# KiCad board KlusterLab r2.0.kicad_pcb (continued)
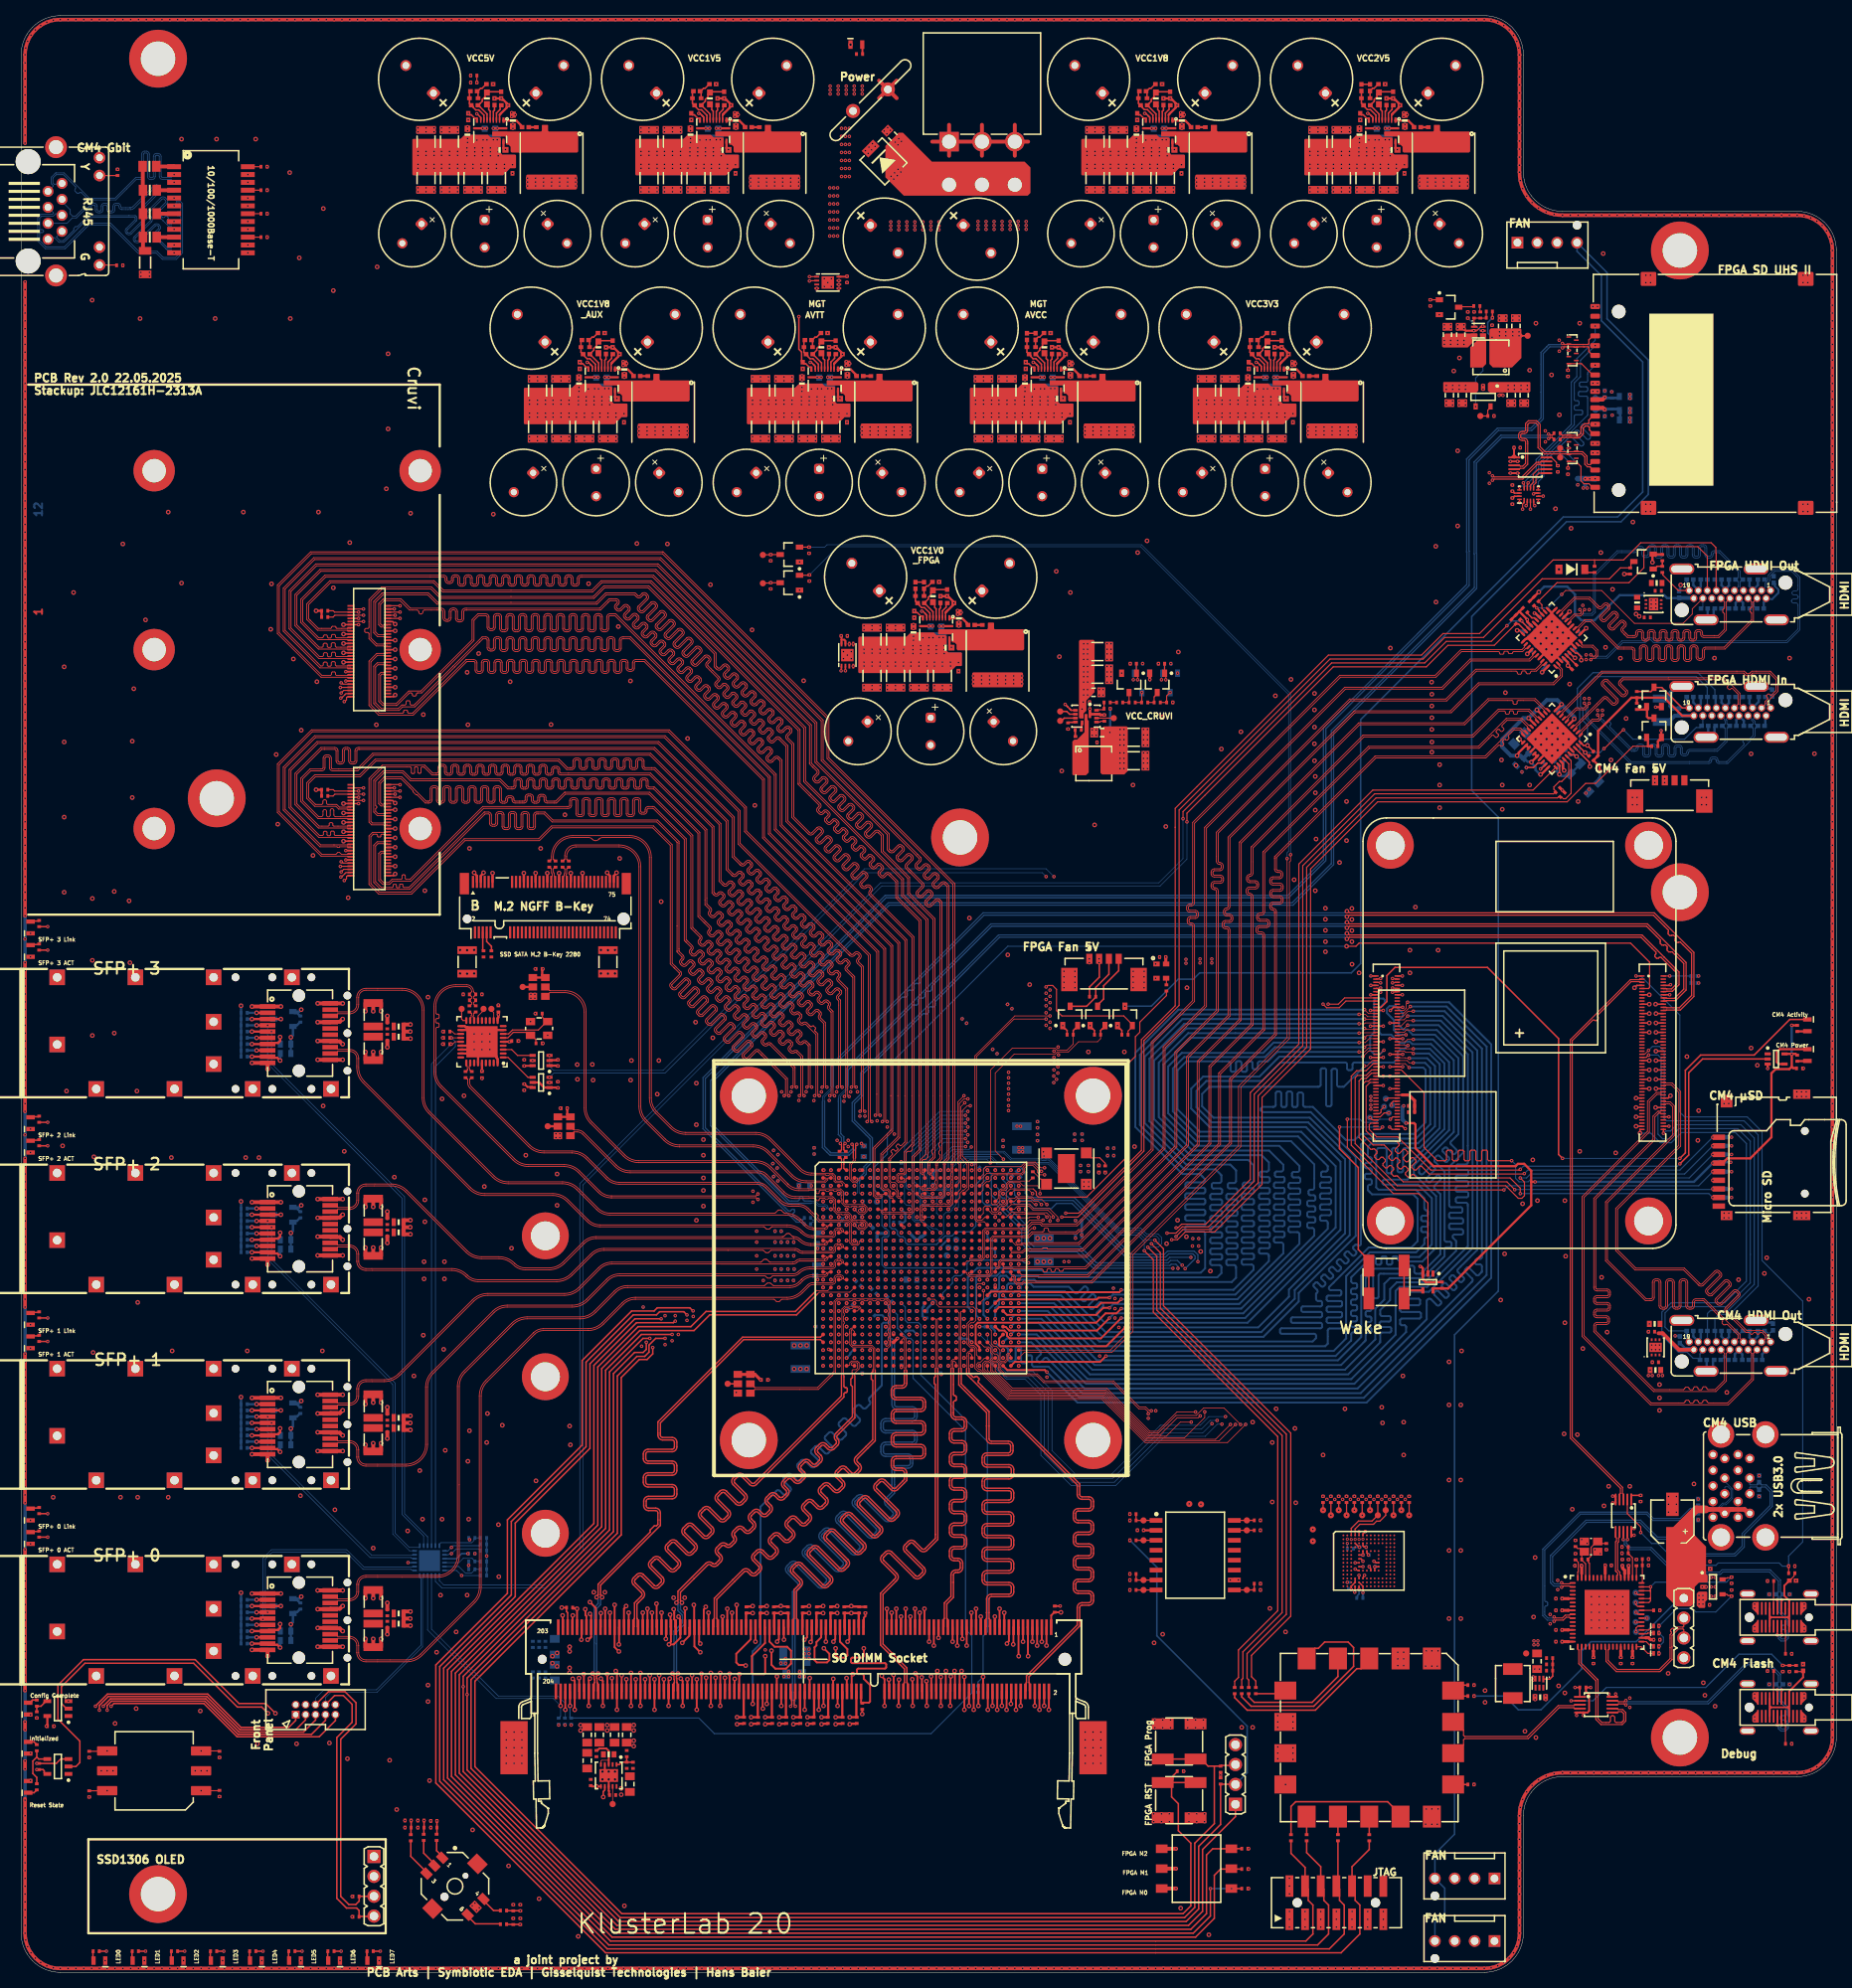
[diagram p0: board, top side]
## Routing (per net, layer and track width the routed paths; a pad name or vN(x,y) marks a point on that pad's centre or on a via; arc(x,y) is an arc through that point) (continued)
SFP+_2_MOD_ABS: length 2.6
  L1 Top w0.3: v2(30.1,94.4) J4.6
  L12 Bottom w0.3: R46.1 v2(30.1,94.4)
SFP+_2_RS0: length 5.8
  L1 Top w0.3: v2(33.1,94.5) 33.1,94 32.85,93.75 31.65,93.75 J4.7 v2(29.5,93.6)
  L12 Bottom w0.3: v2(33.1,94.5) 33.11,94.49 33.11,93.61 R48.1 ; R47.1 v2(29.5,93.6)
SFP+_2_RS1: length 5.3
  L1 Top w0.3: v2(29.5,92) J4.9 31.65,91.85 32.75,91.85 v2(33.1,91.5)
  L12 Bottom w0.3: v2(33.1,91.5) 33.11,91.51 33.11,92.39 R49.1 ; R51.1 v2(29.5,92)
SFP+_2_TX_DIS_LS: length 5.2
  L1 Top w0.3: v2(29.5,96.8) v2(33.2,96.8)
  L12 Bottom w0.3: R43.1 v2(29.5,96.8) ; Q3.3 v2(33.2,96.8)
SFP+_2_TX_EN: length 259.4
  L3 Inner2 (Sig) w0.1: v1(126.2,113.6) 126.8,114.2 126.8,117.27 117.77,126.3 110.97,126.3 58.57,178.7 20.23,178.7 12.95,171.42 12.95,142.78 17.1,138.63 17.1,131.33 18.5,129.93 18.5,117.3 29.6,106.2 29.6,103.1 34.7,98 v2(35.8,98)
  L10 Inner9 (Sig) w0.1: v1(126.2,113.6) 123.1,110.5 123.1,105.17 122.13,104.2 120.38,104.2 118.88,102.7 118.88,90.88 v1(118.5,90.5)
  L12 Bottom w0.3: R50.2 35.65,97.2 35.27,97.58 34.91,97.58 Q3.1 35.55,97.75 v2(35.8,98)
SFP+_2_TX_FAULT: length 2.6
  L1 Top w0.3: v2(30.1,97.6) J4.2
  L12 Bottom w0.3: R42.1 v2(30.1,97.6)
SFP+_3_ACT: length 243.5
  L1 Top w0.2: R282.1 v1(3.4,130.61)
  L3 Inner2 (Sig) w0.1: v1(3.4,130.61) 5.51,130.61 6.75,131.85 6.75,174.66 17.59,185.5 61.38,185.5 113.78,133.1 120.62,133.1 128.62,125.1 v1(131,125.1)
  L10 Inner9 (Sig) w0.1: v1(123.5,88.5) 123.1,88.9 122.4,88.9 121.9,89.4 121.9,94.6 122.28,94.98 122.28,96.68 122.9,97.3 122.9,98.73 123.27,99.1 123.8,99.1 123.91,99.21 123.91,99.86 124.1,100.05 124.1,103.1 124.7,103.7 124.7,107.8 127,110.1 127,121.4 130.68,125.08 130.98,125.08 v1(131,125.1)
SFP+_3_I2C_SCL: length 76.6
  L1 Top w0.3: v2(29.5,120.2) J5.5
  L12 Bottom w0.1: U22.15 51.95,55.65 49,58.6 49,99.1 32,116.1 v1(32,120.2)
  L12 Bottom w0.3: R56.1 v2(29.5,120.2)
SFP+_3_I2C_SDA: length 77.4
  L1 Top w0.3: v2(30.1,121) v1(31.5,121)
  L12 Bottom w0.1: v1(31.5,121) 31.5,116.1 48.7,98.9 48.7,58.5 51.45,55.75 U22.14
  L12 Bottom w0.3: R55.1 v2(30.1,121)
SFP+_3_Link: length 240.8
  L1 Top w0.2: R281.1 v1(3.4,133.61)
  L3 Inner2 (Sig) w0.1: v1(3.4,133.61) 4.86,133.61 6.55,135.3 6.55,174.75 17.5,185.7 61.47,185.7 113.87,133.3 120.7,133.3 128.5,125.5 v1(131.5,125.5)
  L10 Inner9 (Sig) w0.1: v1(121.5,88.5) 121.13,88.87 121.13,90.66 121.5,91.03 121.5,94.49 122.08,95.06 122.08,101.03 122.3,101.26 122.3,101.76 122.9,102.36 122.9,102.99 124.5,104.59 124.5,107.88 126.8,110.18 126.8,121.62 130.68,125.5 v1(131.5,125.5)
SFP+_3_LOS: length 244.5
  L1 Top w0.3: v2(30.1,117.8) J5.8
  L3 Inner2 (Sig) w0.1: v1(126.2,114.3) 126.29,114.3 126.5,114.51 126.51,114.51 126.6,114.6 126.6,117.18 117.68,126.1 110.88,126.1 58.48,178.5 20.32,178.5 13.15,171.33 13.15,142.87 17.3,138.72 17.3,131.41 18.7,130.01 18.7,119.48 20.38,117.8 v2(30.1,117.8)
  L10 Inner9 (Sig) w0.1: v1(126.2,114.3) 122.9,111 122.9,105.25 122.05,104.4 119.8,104.4 118.1,102.7 118.1,89.1 v1(117.5,88.5)
  L12 Bottom w0.3: R63.1 v2(30.1,117.8)
SFP+_3_MOD_ABS: length 2.6
  L1 Top w0.3: v2(30.1,119.4) J5.6
  L12 Bottom w0.3: R57.1 v2(30.1,119.4)
SFP+_3_RS0: length 5.8
  L1 Top w0.3: v2(29.5,118.6) J5.7 31.65,118.75 32.85,118.75 33.1,119 v2(33.1,119.5)
  L12 Bottom w0.3: R59.1 33.11,118.61 33.11,119.49 v2(33.1,119.5) ; R58.1 v2(29.5,118.6)
SFP+_3_RS1: length 5.3
  L1 Top w0.3: v2(33.1,116.5) 32.75,116.85 31.65,116.85 J5.9 v2(29.5,117)
  L12 Bottom w0.3: R62.1 v2(29.5,117) ; R60.1 33.11,117.39 33.11,116.51 v2(33.1,116.5)
SFP+_3_TX_DIS_LS: length 5.2
  L1 Top w0.3: v2(29.5,121.8) v2(33.2,121.8)
  L12 Bottom w0.3: R54.1 v2(29.5,121.8) ; Q4.3 v2(33.2,121.8)
SFP+_3_TX_EN: length 242.3
  L3 Inner2 (Sig) w0.1: v1(126.2,115) 126.4,115.2 126.4,117.1 117.6,125.9 110.8,125.9 58.4,178.3 20.4,178.3 13.35,171.25 13.35,142.95 17.5,138.8 17.5,131.5 18.9,130.1 18.9,125.5 20.4,124 33.7,124 34.7,123 v2(35.8,123)
  L10 Inner9 (Sig) w0.1: v1(126.2,115) 122.7,111.5 122.7,105.33 121.97,104.6 119.72,104.6 117.9,102.78 117.9,89.9 v1(117.5,89.5)
  L12 Bottom w0.3: R61.2 35.65,122.2 35.27,122.58 34.91,122.58 Q4.1 35.55,122.75 v2(35.8,123)
SFP+_3_TX_FAULT: length 2.6
  L1 Top w0.3: v2(30.1,122.6) J5.2
  L12 Bottom w0.3: R53.1 v2(30.1,122.6)
SI5324_OUT_N: length 1.3
  L1 Top w0.114: C192.1 57.47,115.23 57.39,115.23 57.32,115.29 57.32,115.48 57.27,115.53 57.27,115.73 57.4,115.86 U23.29
SI5324_OUT_P: length 1.3
  L1 Top w0.114: C190.1 56.93,115.23 57.01,115.23 57.08,115.29 57.08,115.4 57.03,115.45 57.03,115.73 56.9,115.86 U23.28
SI5324_REFCLK_N: length 60.9
  L1 Top w0.1: v1(106.5,93.5) 106.58,93.42 106.84,93.42 106.9,93.36 106.9,93.16 106.84,93.1 106.3,93.1 106.1,93.3 106.1,95.75 105.75,96.1 102.1,96.1 101.85,96.35 arc(101.81,96.44) 101.85,96.54 101.86,96.55 arc(101.9,96.64) 101.86,96.74 101.67,96.94 arc(101.57,96.98) 101.47,96.94 101.47,96.93 arc(101.37,96.89) 101.27,96.93 100.9,97.3 100.9,97.31
  L1 Top w0.114: 76.45,100.94 94.06,100.94 arc(94.74,100.81) 95.32,100.42 97.03,98.71 arc(97.68,98.27) 98.46,98.12 99.36,98.12 arc(100.03,97.99) 100.6,97.6 100.9,97.31 ; 76.45,100.94 arc(75.63,101.1) 74.93,101.57 72.38,104.12 arc(71.47,104.73) 70.4,104.94 66.82,104.94 arc(65.84,105.14) 65.01,105.69 57.58,113.12 arc(57.39,113.41) 57.32,113.74 57.32,114.06 arc(57.33,114.1) 57.35,114.14 57.36,114.14 arc(57.39,114.16) 57.43,114.17 arc(57.46,114.18) 57.5,114.2 C192.2 ; 76.45,100.94 arc(76.45,100.94) 76.45,100.94
SI5324_REFCLK_P: length 61.3
  L1 Top w0.1: v1(107.5,93.5) 107.42,93.42 107.16,93.42 107.1,93.36 107.1,93.08 106.92,92.9 106.22,92.9 105.9,93.22 105.9,95.67 105.67,95.9 101.98,95.9 100.74,97.14 100.73,97.14
  L1 Top w0.114: 100.73,97.14 100.43,97.43 arc(99.94,97.76) 99.36,97.88 98.36,97.88 arc(97.58,98.03) 96.93,98.47 95.15,100.25 arc(94.65,100.58) 94.06,100.7 76.45,100.7 ; C190.2 56.9,114.2 arc(56.94,114.18) 56.97,114.17 arc(57.01,114.16) 57.04,114.14 57.05,114.14 arc(57.07,114.1) 57.08,114.06 57.08,113.63 arc(57.14,113.31) 57.33,113.03 64.84,105.52 arc(65.75,104.91) 66.82,104.7 70.4,104.7 arc(71.38,104.5) 72.21,103.95 74.76,101.4 arc(75.53,100.88) 76.45,100.7 ; 76.45,100.7 arc(76.45,100.7) 76.45,100.7
SI5324_SCL: length 67.5
  L1 Top w0.114: R209.1 U23.22
  L12 Bottom w0.114: U22.17 52.95,115.75 55.5,118.3 55.5,118.9 v1(55,119.4)
SI5324_SDA: length 66.7
  L1 Top w0.114: R208.1 v1(54.97,118.6) 55.15,118.6 55.45,118.9 U23.23
  L12 Bottom w0.1: U22.16 52.45,116.08 v1(54.97,118.6)
SI5324_~{INIT: length 4.1
  L1 Top w0.15: U24.4 63.45,117.15 62.7,117.9 U23.3
SI5324_~{INIT}_LS: length 152.2
  L3 Inner2 (Sig) w0.1: v1(133.9,90.8) 133,89.9 127.29,89.9 126.93,90.26 126.93,92.39 126.42,92.9 122.3,92.9 122.1,92.7 122.1,90.37 122.35,90.13 122.78,90.13 123.1,89.8 123.1,89.3 123.3,89.1 123.8,89.1 124.1,88.8 124.1,86.1 124.7,85.5 v1(125.5,85.5)
  L10 Inner9 (Sig) w0.1: v1(133.9,90.8) 133.9,91.4 134.1,91.6 134.1,97.5 133.9,97.7 133.9,106.38 133.7,106.58 133.7,106.6 133.4,106.9 133.4,109.73 132.6,110.53 132.6,112.92 132.95,113.27 132.95,113.54 133.2,113.79 133.2,120.1 132.1,121.2 132.1,139.18 132,139.28 132,140
  L12 Bottom w0.1: v1(67.53,117.15) 67.53,115.76 68.03,115.25 82.05,115.25 107.8,141 131,141 132,140
  vias: v1(132,140)
SI5324~{_RST: length 4.8
  L1 Top w0.15: U23.1 62.23,116.9 64.78,114.35 U36.4
SI5324~{_RST}_LS: length 148.8
  L3 Inner2 (Sig) w0.1: v1(123.5,85.5) 123.9,85.9 123.9,88.72 123.72,88.9 123.22,88.9 122.9,89.22 122.9,89.72 122.69,89.93 122.27,89.93 121.9,90.29 121.9,92.8 122.2,93.1 126.5,93.1 127.13,92.47 127.13,90.34 127.37,90.1 132.6,90.1 v1(133.3,90.8)
  L10 Inner9 (Sig) w0.1: v1(133.3,90.8) 133.3,91.2 133.9,91.8 133.9,97.25 133.7,97.45 133.7,106.3 133.2,106.8 133.2,109.64 132.4,110.44 132.4,113 132.75,113.35 132.75,113.63 133,113.88 133,120 131.9,121.1 131.9,139.1 131,140
  L12 Bottom w0.1: v1(67.53,114.35) 68.08,114.9 82.31,114.9 107.9,140.5 130.5,140.5 131,140
  vias: v1(131,140)
SMBUSz: length 0.7
  L1 Top w0.15: U7.39 v1(207.8,45.25)
Switch_0: length 341.9
  L1 Top w0.1: U1.E25 126.93,98.5 127.33,98.9 129.06,98.9 129.45,98.52 129.98,98.52 v1(130.4,98.1) ; 25.32,23.21 R176.2
  L1 Top w0.15: v1(23,23.21) 25.32,23.21
  L3 Inner2 (Sig) w0.1: v1(23,23.21) 24.4,24.61 24.4,28.2 23.45,29.15 16.08,29.15 13.9,31.33 13.9,44.18 13.1,44.98 13.1,54.6 13.9,55.4 13.9,69.18 13.1,69.98 13.1,79.6 13.9,80.4 13.9,94.18 13.1,94.98 13.1,104.6 13.9,105.4 13.9,119.18 13.1,119.98 13.1,138.67 10.15,141.62 10.15,172.58 19.07,181.5 59.73,181.5 112.13,129.1 118.95,129.1 131.15,116.9 v1(132,116.9)
  L10 Inner9 (Sig) w0.1: v1(132,116.9) 131.98,116.88 131.68,116.88 130.6,115.8 130.6,109.7 131.4,108.9 131.4,105.8 131.9,105.3 131.9,99.6 v1(130.4,98.1)
Switch_1: length 328.7
  L1 Top w0.1: v1(129.7,98.1) 129.5,98.1 129.1,98.5 U1.E26
  L1 Top w0.15: v1(11,28.29) 10.96,28.24 R177.2
  L3 Inner2 (Sig) w0.1: v1(11,28.29) 11,28.63 13.7,31.33 13.7,44.09 12.9,44.89 12.9,54.7 13.7,55.5 13.7,69.09 12.9,69.89 12.9,79.7 13.7,80.5 13.7,94.09 12.9,94.89 12.9,104.7 13.7,105.5 13.7,119.09 12.9,119.89 12.9,138.59 9.95,141.54 9.95,172.66 18.99,181.7 59.81,181.7 112.21,129.3 119.03,129.3 131.03,117.3 132.16,117.3 132.21,117.25 132.55,117.25 v1(132.58,117.22)
  L10 Inner9 (Sig) w0.1: v1(132.58,117.22) 132.53,117.28 131.79,117.28 130.4,115.88 130.4,109.61 131.2,108.81 131.2,105.7 131.7,105.2 131.7,100.1 v1(129.7,98.1)
Switch_2: length 342.8
  L1 Top w0.1: 25.31,28.29 R181.2 ; U1.D25 126.9,99.9 128.86,99.9 v1(129.27,99.49)
  L1 Top w0.15: v1(23,28.29) 25.31,28.29
  L3 Inner2 (Sig) w0.1: v1(23,28.29) 21.81,27.1 11.3,27.1 10.45,27.95 10.45,28.56 13.5,31.61 13.5,44.01 12.7,44.81 12.7,54.8 13.5,55.6 13.5,69.01 12.7,69.81 12.7,79.8 13.5,80.6 13.5,94.01 12.7,94.81 12.7,104.8 13.5,105.6 13.5,119.01 12.7,119.81 12.7,138.51 9.75,141.46 9.75,172.74 18.91,181.9 59.89,181.9 112.29,129.5 119.11,129.5 130.91,117.7 v1(132,117.7)
  L10 Inner9 (Sig) w0.1: v1(129.27,99.49) 129.66,99.1 130.4,99.1 131.5,100.2 131.5,105.1 131,105.6 131,108.73 130.2,109.53 130.2,115.97 131.93,117.7 v1(132,117.7)
Switch_3: length 343.8
  L1 Top w0.1: U1.C22 124,100 124,98.25 124.15,98.1 124.69,98.1 125.1,98.51 125.1,99.67 125.33,99.9 125.8,99.9 126.1,100.2 126.1,100.67 126.33,100.9 127.67,100.9 128.07,100.5 129.9,100.5 130.21,100.19 130.21,99.51 v1(130.23,99.49)
  L1 Top w0.15: R182.2 10.99,23.19 v1(11,23.21)
  L3 Inner2 (Sig) w0.1: v1(11,23.21) 9.63,24.58 9.63,28.19 13.3,31.86 13.3,43.93 12.5,44.73 12.5,54.9 13.3,55.7 13.3,68.93 12.5,69.73 12.5,79.9 13.3,80.7 13.3,93.93 12.5,94.73 12.5,104.9 13.3,105.7 13.3,118.93 12.5,119.73 12.5,138.43 9.55,141.38 9.55,172.82 18.83,182.1 59.97,182.1 112.37,129.7 119.2,129.7 130.7,118.2 132.5,118.2 v1(132.53,118.23)
  L10 Inner9 (Sig) w0.1: v1(132.53,118.23) 132.53,118.23 131.99,118.23 130,116.23 130,109.45 130.8,108.65 130.8,105.5 131.3,105 131.3,100.56 v1(130.23,99.49)
SYS_FAN_PWM: length 46.8
  L1 Top w0.15: v1(131,125.9) 131.05,125.9 131.24,126.09 131.83,126.09 132.33,125.59 132.33,122.89 133.02,122.2 140.92,122.2 141.76,121.37 141.78,121.37 142.03,121.12 Q12.2 142.03,120.82 141.48,120.26 141.48,119.8 R291.1
  L10 Inner9 (Sig) w0.1: v1(131,125.9) 130.93,125.83 130.53,125.83 126.6,121.9 126.6,111.37 126.34,111.11 125.91,111.11 123.9,109.1 123.9,104.84 122.46,103.4 122.23,103.4 121.66,102.83 121.34,102.83 120.96,102.44 120.96,101.36 120.57,100.97 120.57,100.57 v1(120.5,100.5)
TEMP_I2C_SCL: length 136.6
  L1 Top w0.15: 105.38,166.86 U27.2 v1(105.35,166.3) ; 97.01,181.14 v1(95.8,181.14) 95.78,181.12 94.82,181.12 TP20.1 ; U26.2 101.66,216.12 100.78,216.12 v1(100.75,216.1)
  L10 Inner9 (Sig) w0.15: v1(105.35,166.3) 106.05,165.6 120.36,165.6 142.96,188.21 142.96,204.62 133.65,213.93 101.72,213.93 100.75,214.89 v1(100.75,216.1) ; v1(105.35,166.3) 105.35,166.28 ; v1(105.35,166.3) 105.35,166.7 104.05,168 104.05,173.85 102.25,175.65 97.7,175.65 96.85,176.5 96.85,180.07 95.79,181.13
TEMP_I2C_SCL_LS: length 176.6
  L1 Top w0.1: U1.AE26 128.22,79.22 139.42,79.22 142.1,81.9 142.1,91.7 155.89,105.49 155.89,113.09 162.1,119.3 162.1,141.87 162.25,142.02 v1(162.25,142.8) ; 100.7,182.1 v1(100.7,182.1)
  L1 Top w0.15: Q6.2 100.7,182.1
  L12 Bottom w0.1: v1(162.25,142.8) 162.25,163.35 143.2,182.4 103,182.4 102.7,182.1 v1(100.7,182.1)
TEMP_I2C_SDA: length 134.9
  L1 Top w0.15: v1(104.8,166.3) 104.83,166.32 104.83,166.86 U27.1 ; v1(100.75,216.65) U26.1 ; Q5.3 97.01,177.54 v1(95.8,177.54) 95.77,177.51 94.84,177.51 TP19.1
  L10 Inner9 (Sig) w0.15: v1(100.75,216.65) 100.77,216.65 101.19,216.23 101.19,215.01 101.9,214.3 133.92,214.3 143.35,204.87 143.35,188.1 120.5,165.25 105.83,165.25 104.8,166.28 v1(104.8,166.3) 104.8,166.75 103.69,167.86 103.69,173.72 102.08,175.32 97.53,175.32 96.45,176.4 96.45,176.89 R87.1
TEMP_I2C_SDA_LS: length 176.7
  L1 Top w0.1: v1(161.8,142.3) 161.8,119.42 155.59,113.22 155.59,105.62 141.8,91.82 141.8,82.1 139.2,79.5 U1.AD26 ; 100.7,178.5 v1(100.75,178.55)
  L1 Top w0.15: Q5.2 100.7,178.5
  L12 Bottom w0.1: v1(161.8,142.3) 161.8,143.05 162,143.25 162,163.25 143.1,182.15 104.35,182.15 v1(100.75,178.55)
UART_USB_RxD: length 101.9
  L1 Top w0.166: v1(144,92.65) 145.15,91.5 145.15,84.61 161.17,68.59 161.17,45.97 156.15,40.95 156.15,37.55 156,37.4 R115.2
  L12 Bottom w0.1: v1(118.5,102.5) 118.5,103.88 119.52,104.9 125.65,104.9 126.54,104.01 130.49,104.01 130.57,103.93 130.88,103.93 130.96,104.01 131.39,104.01 140.3,95.1 143.08,95.1 143.84,94.34 145.31,94.34 145.76,93.89 145.76,93.08 145.33,92.65 v1(144,92.65)
UART_USB_TxD: length 108.4
  L1 Top w0.166: R116.2 157.8,37.23 157.25,37.78 157.25,40.49 162.27,45.51 162.27,68.91 146,85.17 146,92.45 v1(144.9,93.55)
  L12 Bottom w0.1: v1(144.9,93.55) 143.78,93.55 142.83,94.5 140.33,94.5 131.35,103.48 124.82,103.48 124.07,104.23 120.65,104.23 119.9,103.48 119.9,101.3 119.5,100.9 119.5,98.1 119,97.6 119,97.4 118.7,97.1 118.2,97.1 117.9,96.8 117.9,94.35 117.05,93.5 v1(116.5,93.5)
UART_USB_~{CTS: length 100.6
  L1 Top w0.166: R113.2 155.1,37.2 155.58,37.68 155.58,41.18 160.6,46.2 160.6,68.45 144.7,84.35 144.7,91.05 v1(143.55,92.2)
  L12 Bottom w0.1: v1(119.5,97.5) 119.8,97.8 119.8,100.9 120.1,101.2 120.1,103.4 120.73,104.03 123.97,104.03 124.72,103.28 131.27,103.28 140.35,94.2 142.73,94.2 143.55,93.38 v1(143.55,92.2)
UART_USB_~{RTS: length 101.6
  L1 Top w0.166: v1(144.45,93.1) 145.6,91.95 145.6,84.86 161.7,68.76 161.7,45.74 156.68,40.73 156.68,37.57 156.9,37.35 R114.2
  L12 Bottom w0.1: v1(118.5,101.5) 118.9,101.9 118.9,103.9 119.7,104.7 125.57,104.7 126.47,103.79 130.42,103.79 130.49,103.73 130.96,103.73 131.03,103.79 131.32,103.79 140.32,94.8 142.98,94.8 143.73,94.05 145.11,94.05 145.45,93.71 145.45,93.3 145.25,93.1 v1(144.45,93.1)
USB_CM4Flash_N: length 36
  L1 Top w0.146: J14.A6 224.46,46.51 224.46,47.59 v1(224.45,47.6) ; v1(225,43.12) 224.99,43.13 224.99,44.21 J14.B6 ; v1(204.76,55.3) 204.77,55.31 204.77,56.27
  L12 Bottom w0.146: v1(204.76,55.3) 204.76,55.22 204.9,55.08 204.9,54.69 205.58,54.01 208.24,54.01 210.42,51.83 213.32,51.83 214.3,50.85 217.19,50.85 217.5,51.16 223.44,51.16 224.59,50.01 224.59,48.59 224.5,48.5 224.48,48.5 D81.1 224.48,48.1 224.53,48.1 224.59,48.04 224.59,47.82 224.45,47.68 v1(224.45,47.6) 224.45,47.52 224.59,47.38 224.59,46.07 225.6,45.06 225.6,44.49 arc(225.56,44.38) 225.45,44.34 225.19,44.34 arc(225.09,44.3) 225.05,44.2 225.05,43.93 arc(225.09,43.83) 225.19,43.79 225.45,43.79 arc(225.56,43.75) 225.6,43.65 225.6,42.81 225.39,42.6 225.01,42.6 224.85,42.76 224.85,42.88 225,43.03 v1(225,43.12)
USB_CM4Flash_P: length 36
  L1 Top w0.146: v1(224.45,43.12) 224.46,43.13 224.46,44.21 J14.B7 ; v1(225,47.6) 224.99,47.59 224.99,46.51 J14.A7 ; 205.3,56.27 205.3,55.31 v1(205.31,55.3)
  L12 Bottom w0.146: v1(224.45,43.12) 224.45,43.03 224.6,42.88 224.6,42.65 224.92,42.34 225.51,42.34 225.87,42.7 225.87,45.18 224.86,46.19 224.86,47.38 225,47.52 v1(225,47.6) 225,47.68 224.86,47.82 224.86,48.04 224.92,48.1 224.97,48.1 D76.1 224.97,48.5 224.95,48.5 224.86,48.59 224.86,50.12 223.55,51.43 217.38,51.43 217.07,51.12 214.41,51.12 213.44,52.1 210.54,52.1 208.35,54.28 205.7,54.28 205.17,54.81 205.17,55.08 205.31,55.22 v1(205.31,55.3)
USB_HUB_RST: length 4.2
  L1 Top w0.15: C52.1 205.4,53.5 205.52,53.37 205.54,53.37 205.95,52.96 U7.50
USB_MUX_SEL: length 33
  L1 Top w0.166: v1(198.1,34.7) U9.2 ; v1(225.16,39.21) R83.2
  L12 Bottom w0.166: v1(225.16,39.21) 223.72,40.65 219.55,40.65 215.3,36.4 202.6,36.4 200.9,34.7 v1(198.1,34.7)
USB_OVRCURR: length 19.6
  L1 Top w0.146: 208.13,48.75 208.25,48.75 ; 208.13,48.75 U7.46 ; 208.13,48.75 208.25,48.87 ; 208.13,48.75 208.25,48.63 ; 208.25,48.75 208.25,48.87 ; 208.25,48.75 208.25,47.75 ; 208.25,47.75 208.25,47.87 208.13,47.75 ; 208.25,47.75 208.25,47.45 208.05,47.25 U7.43 ; 208.25,47.75 U7.44 ; 208.25,47.75 208.13,47.75 ; 208.13,47.75 208.25,47.63 ; v1(218.6,50.49) 218.52,50.41 218.07,50.41 218,50.35 217.6,50.35 U8.5 ; 208.25,48.87 v1(208.25,49.25) U7.47
  L12 Bottom w0.15: v1(218.6,50.49) 217.96,49.85 208.85,49.85 v1(208.25,49.25)
USB_PWR_EN: length 16.4
  L1 Top w0.146: U8.4 218,48.3 218.15,48.15 218.51,48.15 v1(218.6,48.06)
  L12 Bottom w0.15: v1(209.35,40.75) v1(209.35,41.65) 209.9,42.2 209.9,42.8 v1(209.35,43.35) v1(209.35,44.25) 211.57,46.47 213.63,46.47 214.05,46.05 216.6,46.05 v1(218.6,48.06)
USER_LED_0: length 395.7
  L1 Top w0.1: U1.G21 122.5,96.53 122.53,96.53 122.98,96.97 122.98,97.67 123.2,97.9 123.78,97.9 124.03,97.65 124.03,97.31 124.24,97.1 124.69,97.1 125.02,97.43 125.02,97.64 125.28,97.9 125.75,97.9 126.1,98.25 126.1,98.67 126.34,98.91 127,98.91 127.19,99.1 129.18,99.1 129.53,98.75 130.45,98.75 v1(131.1,98.1)
  L1 Top w0.2: v1(10.9,2.7) R189.2 9.9,2.6
  L3 Inner2 (Sig) w0.1: v1(132.5,116.5) 131.27,116.5 118.87,128.9 112.04,128.9 59.64,181.3 19.16,181.3 10.35,172.49 10.35,141.71 14.5,137.56 14.5,130.1 15.9,128.7 15.9,45.02 39.7,21.22 39.7,4.51 39.29,4.1 12.3,4.1 v1(10.9,2.7)
  L10 Inner9 (Sig) w0.1: v1(132.5,116.5) 131.6,116.5 130.8,115.7 130.8,109.78 131.6,108.98 131.6,105.9 132.1,105.4 132.1,99.1 v1(131.1,98.1)
USER_LED_1: length 383.8
  L1 Top w0.1: v1(129.5,95.1) 129.43,95.03 129.13,95.03 128.6,94.5 U1.J26
  L1 Top w0.2: R190.2 v1(15.9,2.7)
  L3 Inner2 (Sig) w0.1: v1(132,116.1) 131.38,116.1 118.78,128.7 111.96,128.7 59.56,181.1 19.24,181.1 10.55,172.41 10.55,141.79 14.7,137.64 14.7,130.18 16.1,128.78 16.1,45.1 39.9,21.3 39.9,4.43 39.37,3.9 17.1,3.9 v1(15.9,2.7)
  L10 Inner9 (Sig) w0.1: 131.98,116.08 v1(132,116.1) 131.5,116.1 131,115.6 131,109.86 131.8,109.06 131.8,106 132.3,105.5 132.3,98.77 131.07,97.53 130.43,97.53 129.5,96.6 v1(129.5,95.1)
USER_LED_2: length 377.8
  L1 Top w0.1: v1(130,96.48) 128.87,96.48 128.79,96.4 127.76,96.4 127.74,96.42 127.58,96.42
  L1 Top w0.2: R191.2 v1(20.9,2.7)
  L3 Inner2 (Sig) w0.1: v1(132.5,115.7) 131.5,115.7 118.7,128.5 111.88,128.5 59.48,180.9 19.32,180.9 10.75,172.33 10.75,141.87 14.9,137.72 14.9,130.28 16.3,128.88 16.3,45.19 40.1,21.39 40.1,4.35 39.45,3.7 21.9,3.7 v1(20.9,2.7)
  L10 Inner9 (Sig) w0.1: v1(132.5,115.7) 131.5,115.7 131.2,115.4 131.2,109.95 132,109.15 132,106.2 132.5,105.7 132.5,98.68 131.12,97.3 130.9,97.3 130.08,96.48 v1(130,96.48)
USER_LED_3: length 372.3
  L1 Top w0.1: U1.H26 128.3,95.5 128.9,96.1 v1(130.6,96.1)
  L1 Top w0.2: R192.2 v1(25.9,2.7)
  L3 Inner2 (Sig) w0.1: v1(25.9,2.7) 26.7,3.5 39.53,3.5 40.3,4.27 40.3,21.47 16.5,45.27 16.5,129 15.1,130.4 15.1,137.81 10.95,141.96 10.95,172.24 19.41,180.7 59.39,180.7 111.79,128.3 118.6,128.3 131.6,115.3 v1(132,115.3)
  L10 Inner9 (Sig) w0.1: v1(130.6,96.1) 130.6,96.7 131,97.1 131.2,97.1 132.7,98.6 132.7,105.8 132.2,106.3 132.2,109.23 131.4,110.03 131.4,115.1 131.6,115.3 v1(132,115.3)
USER_LED_4: length 368.6
  L1 Top w0.1: v1(131.1,96.5) 130.75,96.85 128.26,96.85 128.21,96.9 126.9,96.9 U1.G25
  L1 Top w0.2: R193.2 v1(30.91,2.7)
  L3 Inner2 (Sig) w0.1: v1(30.91,2.7) 31.51,3.3 39.62,3.3 40.5,4.18 40.5,21.55 16.7,45.35 16.7,129.1 15.3,130.5 15.3,137.89 11.15,142.04 11.15,172.16 19.49,180.5 59.31,180.5 111.71,128.1 118.52,128.1 131.72,114.9 132.13,114.9 132.14,114.9 v1(132.5,114.9)
  L10 Inner9 (Sig) w0.1: v1(131.1,96.5) 131.1,96.59 131.29,96.78 131.29,96.87 132.9,98.48 132.9,105.9 132.4,106.4 132.4,109.31 131.6,110.11 131.6,114.7 131.8,114.9 v1(132.5,114.9)
USER_LED_5: length 366.2
  L1 Top w0.1: U1.F24 125.93,97.5 126.53,98.1 128.9,98.1 129.4,97.6 131.4,97.6 132.5,96.5 v1(132.5,96.1)
  L1 Top w0.2: R194.2 v1(35.9,2.7)
  L3 Inner2 (Sig) w0.1: v1(35.9,2.7) 36.3,3.1 39.7,3.1 40.7,4.1 40.7,21.63 16.9,45.43 16.9,129.2 15.5,130.6 15.5,137.97 11.35,142.12 11.35,172.08 19.57,180.3 59.23,180.3 111.63,127.9 118.44,127.9 131.64,114.7 131.71,114.7 131.89,114.53 v1(131.98,114.53)
  L10 Inner9 (Sig) w0.1: v1(132.5,96.1) 132.5,96.7 133.5,97.7 133.5,106.2 133,106.7 133,109.56 132.2,110.36 132.2,113.09 132.55,113.44 132.55,113.71 132.7,113.86 132.7,114.3 132.48,114.53 v1(131.98,114.53)
USER_LED_6: length 359.1
  L1 Top w0.1: U1.F25 126.93,97.5 127.33,97.9 128.8,97.9 129.3,97.4 131.2,97.4 131.9,96.7 v1(131.9,96.5)
  L1 Top w0.2: R195.2 v1(40.9,2.7)
  L3 Inner2 (Sig) w0.1: v1(132.32,114.1) 131.7,114.1 131.5,114.3 131.5,114.55 118.35,127.7 111.55,127.7 59.15,180.1 19.65,180.1 11.55,172 11.55,142.2 15.7,138.05 15.7,130.7 17.1,129.3 17.1,45.52 40.9,21.72 v1(40.9,2.7)
  L10 Inner9 (Sig) w0.1: v1(131.9,96.5) 133.3,97.9 133.3,106.1 132.8,106.6 132.8,109.48 132,110.28 132,113.17 132.35,113.52 132.35,114.07 v1(132.33,114.1)
USER_LED_7: length 363.5
  L1 Top w0.1: v1(131.5,96) 131.5,96.63 131.08,97.05 128.34,97.05 128.29,97.1 126.53,97.1 125.93,96.5 U1.G24
  L1 Top w0.2: R196.2 v1(45.91,2.7)
  L3 Inner2 (Sig) w0.1: v1(131.98,113.67) 131.95,113.7 131.6,113.7 131.2,114.1 131.2,114.57 118.27,127.5 111.46,127.5 59.06,179.9 19.74,179.9 11.75,171.91 11.75,142.29 15.9,138.14 15.9,130.78 17.3,129.38 17.3,45.6 41.1,21.8 41.1,4.1 42.1,3.1 45.51,3.1 v1(45.91,2.7)
  L10 Inner9 (Sig) w0.1: v1(131.98,113.67) 131.98,113.62 131.8,113.44 131.8,110.19 132.6,109.39 132.6,106.5 133.1,106 133.1,98.4 131.5,96.8 v1(131.5,96)
uUSB_N: length 36.3
  L1 Top w0.146: 224.48,36.08 224.46,36.09 224.46,35.01 J13.A6 ; v1(205.1,34.17) 205.02,34.17 204.89,34.31 204.14,34.31 204.04,34.2 U9.8 ; v1(225,31.62) 225.01,31.6 ; 224.99,31.63 224.99,32.71 J13.B6
  L12 Bottom w0.146: v1(224.45,36.1) 224.45,36.18 224.6,36.33 224.6,36.5 224.3,36.8 D25.1 224.48,37 224.5,37 224.59,37.09 224.59,37.96 223.25,39.3 220.64,39.3 215.65,34.31 205.32,34.31 205.18,34.17 v1(205.1,34.17) ; 225.01,31.6 225.01,31.52 224.86,31.37 224.86,31.24 225.02,31.09 225.4,31.09 225.61,31.3 225.61,32.1 arc(225.57,32.2) 225.47,32.24 224.98,32.24 arc(224.89,32.28) 224.85,32.38 224.85,32.65 arc(224.89,32.75) 224.98,32.79 225.47,32.79 arc(225.57,32.83) 225.61,32.94 225.61,33.74 224.6,34.75 224.6,35.87 224.46,36.01 224.46,36.09
uUSB_P: length 36.4
  L1 Top w0.146: J13.B7 224.46,32.71 224.46,31.63 v1(224.45,31.62) ; J13.A7 224.99,35.01 224.99,36.09 v1(225,36.1) ; v1(205.1,34.72) 205.02,34.72 204.87,34.58 204.15,34.58 204.03,34.7 U9.9
  L12 Bottom w0.146: 225.15,36.8 D24.1 225.15,36.8 ; 225.15,36.8 224.95,37 224.95,37.03 224.86,37.11 224.86,38.08 223.36,39.57 220.52,39.57 215.54,34.59 205.32,34.59 205.18,34.72 v1(205.1,34.72) ; 225.15,36.8 224.87,36.52 224.87,36.31 225,36.18 225,36.02 224.85,35.87 224.85,34.85 225.86,33.84 225.86,31.19 225.5,30.83 224.91,30.83 224.59,31.15 224.59,31.4 224.45,31.53 v1(224.45,31.62)
VRN_32:
  vias: v1(114.5,85.5)
VRN_33:
  vias: v1(110.5,86.5)
VRN_34:
  vias: v1(105.5,86.5)
VRP_32:
  vias: v1(114.5,84.5)
VRP_33:
  vias: v1(113.5,85.5)
VRP_34:
  vias: v1(108.5,87.5)
VSEL.ADJ1: length 141.6
  L1 Top w0.1: U1.T23 v1(124.5,87.8)
  L3 Inner2 (Sig) w0.1: v1(124.5,87.8) U1.T23 125,87 127.75,87 129,85.75 133.65,85.75 138.15,90.25 144.57,90.25 147.22,92.9 148.55,92.9 149.4,93.75 v1(149.75,93.75)
  L10 Inner9 (Sig) w0.1: v1(145.75,165.15) 145.75,165.06 145.86,164.94 145.86,164.93 146.08,164.72 146.6,164.72 179.2,132.12 179.2,103.1 178.4,102.3 169.9,102.3 161.8,94.2 150.2,94.2 v1(149.75,93.75)
  L12 Bottom w0.15: R335.1 146.11,167.15 146.11,166.19 Q16.1 145.75,165.84 v1(145.75,165.15)
VSEL.ADJ2: length 145.2
  L1 Top w0.15: 146.15,165.99 146.15,167.2 ; Q15.1 146.3,165.84 v1(146.3,165.15)
  L1 Top w0.4: 146.15,165.99 Q15.1
  L3 Inner2 (Sig) w0.1: v1(121.5,87.5) 121.5,87.15 122.8,85.85 122.8,85.48 123.18,85.1 128.65,85.1 129.05,85.5 133.75,85.5 138.25,90 144.67,90 147.32,92.65 148.8,92.65 149.4,93.25 150,93.25 v1(150.5,93.75)
  L10 Inner9 (Sig) w0.1: v1(150.5,93.75) 161.99,93.75 170.09,101.85 178.59,101.85 179.52,102.78 179.52,132.3 146.67,165.15 v1(146.3,165.15)
VSEL.ADJ3: length 155.1
  L3 Inner2 (Sig) w0.1: v1(118.5,86.5) 118.5,86.46 118.91,86.05 121.66,86.05 122.15,85.56 122.15,85.1 123.2,84.05 128.35,84.05 129.25,84.95 133.98,84.95 138.48,89.45 144.9,89.45 147.55,92.1 149.8,92.1 v1(150.5,92.8)
  L10 Inner9 (Sig) w0.1: v1(150.5,92.8) 162.38,92.8 170.48,100.9 178.63,100.9 180.19,102.46 180.19,132.69 146.88,166.01 143,166.01 v1(142.15,165.15)
  L12 Bottom w0.15: v1(142.15,165.15) 142.15,165.84 ; Q14.1 142.51,166.2 142.51,167.16 R333.1
VSEL.ADJ4: length 151.9
  L1 Top w0.15: R332.1 142.55,165.99 Q13.1 ; v1(142.7,165.15) 142.7,165.84
  L3 Inner2 (Sig) w0.1: v1(149.7,92.8) 149.28,92.38 147.43,92.38 144.78,89.73 138.36,89.73 133.86,85.23 129.13,85.23 128.8,84.9 122.84,84.9 122.47,85.28 122.47,85.71 121.18,87 120,87 v1(119.5,87.5)
  L10 Inner9 (Sig) w0.1: v1(149.7,92.8) 150.2,93.3 162.17,93.3 170.27,101.4 178.62,101.4 179.84,102.61 179.84,132.51 146.64,165.7 143.25,165.7 v1(142.7,165.15)
